# Altium PCB Testopstelling_DA_BOX_STEDIN_V2.PcbDoc (part 2 of 3) (continued)
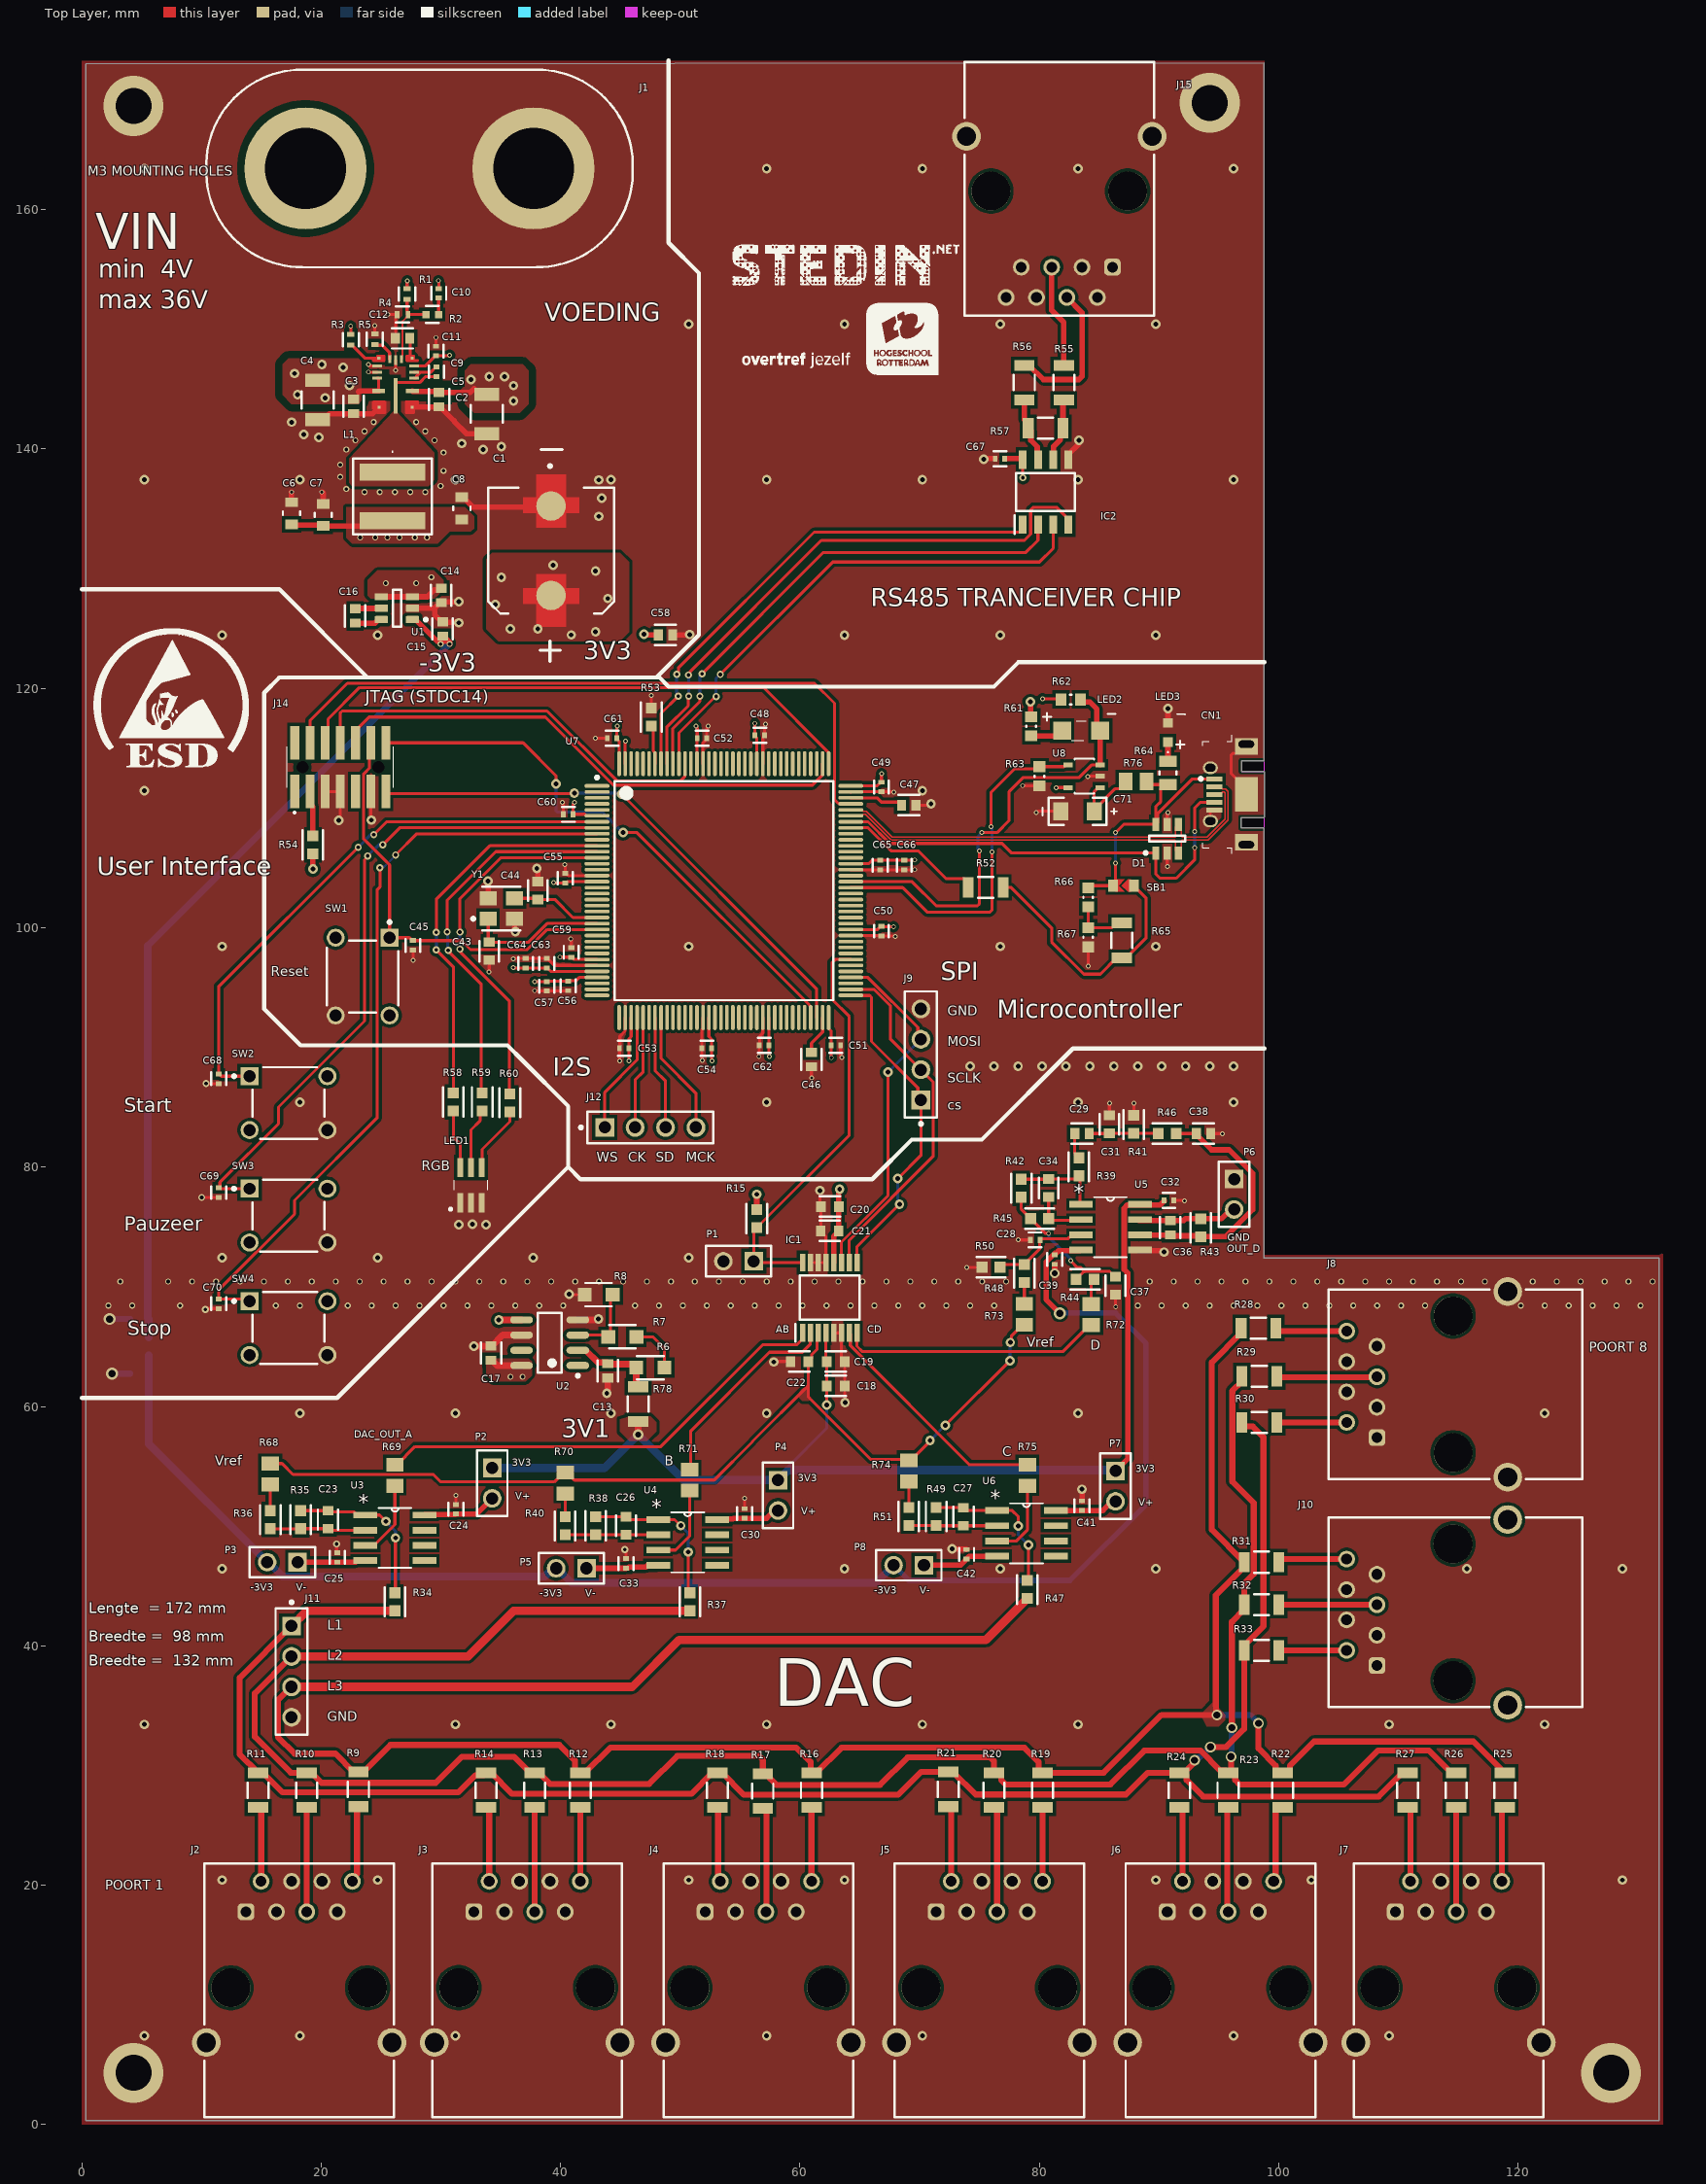
[diagram p0: Top Layer view]
## Nets (pads, with @x,y where several pads share a name; then routed paths per layer and width w, separated by ;. In a path a pad name is that pad's centre, name@x,y a point inside that pad or via, vN(x,y) a via of type N, cw(c..) or ccw(c..) an arc to the next point about the centre after c; other vN are vias at no path point) (continued)
NetJ3_5: J3.5 R13.2 | length 8.7
  Top Layer w0.5: J3.5@37.846,17.78 R13.2@37.846,26.49
NetJ3_8: J3.8 R12.2 | length 6.2
  Top Layer w0.5: J3.8@41.656,20.32 R12.2@41.656,26.49
NetJ4_2: J4.2 R18.2 | length 6.3
  Top Layer w0.5: R18.2@52.964,26.416 53.164,26.216 53.164,20.74 53.343,20.562 J4.2@53.343,20.318
NetJ4_5: J4.5 R17.2 | length 8.9
  Top Layer w0.5: R17.2@56.896,26.416 57.01,26.416 57.21,26.216 57.21,17.835 J4.5@57.153,17.778
NetJ4_8: J4.8 R16.2 | length 6.2
  Top Layer w0.5: R16.2@60.96,26.49 60.963,26.487 J4.8@60.963,20.318
NetJ5_2: J5.2 R21.2 | length 6.4
  Top Layer w0.5: R21.2@72.39,26.564 72.444,26.564 72.644,26.364 J5.2@72.644,20.32
NetJ5_5: J5.5 R20.2 | length 8.8
  Top Layer w0.5: R20.2@76.2,26.49 76.273,26.49 76.473,26.29 J5.5@76.473,17.799
NetJ5_8: J5.8 R19.2 | length 6.2
  Top Layer w0.5: J5.8@80.264,20.32 R19.2@80.264,26.49
NetJ6_2: J6.2 R24.2 | length 6.3
  Top Layer w0.5: R24.2@91.694,26.49 91.751,26.49 91.951,26.29 J6.2@91.951,20.318
NetJ6_5: J6.5 R23.2 | length 8.9
  Top Layer w0.5: J6.5@95.761,17.778 95.688,17.851 95.688,26.29 95.888,26.49 R23.2@96.012,26.49
NetJ6_8: J6.8 R22.2 | length 6.7
  Top Layer w0.5: J6.8@99.571,20.318 99.73,20.477 99.73,26.29 99.93,26.49 R22.2@100.33,26.49
NetJ7_2: J7.2 R27.2 | length 6.3
  Top Layer w0.5: R27.2@110.744,26.49 110.801,26.49 111.001,26.29 J7.2@111.001,20.318
NetJ7_5: J7.5 R26.2 | length 8.7
  Top Layer w0.5: R26.2@114.808,26.49 114.811,26.487 J7.5@114.811,17.778
NetJ7_8: J7.8 R25.2 | length 6.3
  Top Layer w0.5: J7.8@118.621,20.318 118.621,26.29 118.821,26.49 R25.2@118.872,26.49
NetJ8_2: J8.2 R30.2 | length 5.8
  Top Layer w0.5: R30.2@99.822,58.674 99.825,58.671 J8.2@105.666,58.671
NetJ8_5: J8.5 R29.2 | length 8.3
  Top Layer w0.5: R29.2@100.002,62.484 100.06,62.426 108.151,62.426 J8.5@108.206,62.481
NetJ8_8: J8.8 R28.2 | length 6.1
  Top Layer w0.5: R28.2@99.748,66.548 99.748,66.491 99.948,66.291 J8.8@105.666,66.291
NetJ10_2: J10.2 R33.2 | length 5.7
  Top Layer w0.5: R33.2@100.002,39.624 J10.2@105.664,39.624
NetJ10_5: J10.5 R32.2 | length 8.2
  Top Layer w0.5: R32.2@100.002,43.434 J10.5@108.204,43.434
NetJ10_8: J10.8 R31.2 | length 5.8
  Top Layer w0.5: R31.2@100.002,46.99 100.002,47.044 100.202,47.244 J10.8@105.664,47.244
NetJ14_3: J14.3 R54.1 | length 3.8
  Top Layer w0.454: J14.3@19.064,111.373 19.064,110.348 19.304,110.108 R54.1@19.304,107.674
NetJ15_4: J15.4 R56.2 | length 12.5
  Top Layer w0.454: R56.2@78.74,146.992 79.14,146.992 80.336,145.796 83.3,145.796 83.566,146.062 83.566,151.384 J15.4@82.296,152.654
NetJ15_5: J15.5 R55.2 | length 8.6
  Top Layer w0.454: J15.5@81.026,155.194 81.026,151.585 82.042,150.569 R55.2@82.042,146.992
NetLED1_4: LED1.4 R60.1 | length 5.6
  Top Layer w0.254: LED1.4@33.412,79.961 33.452,80.001 33.452,81.483 35.763,83.795 R60.1@35.763,84.618
NetLED1_5: LED1.5 R59.1 | length 5.1
  Top Layer w0.254: LED1.5@32.512,79.961 32.512,83.109 33.274,83.871 33.274,84.506 R59.1@33.452,84.684
NetLED1_6: LED1.6 R58.1 | length 5
  Top Layer w0.254: R58.1@31.039,84.694 31.039,82.525 31.612,81.951 LED1.6@31.612,79.961
NetLED2_1: LED2.1 R61.1 | length 2.8
  Top Layer w0.454: R61.1@79.314,116.024 81.446,116.024 LED2.1@81.89,116.468
NetLED3_1: LED3.1 R64.1 | length 1.6
  Top Layer w0.454: R64.1@90.744,113.91 LED3.1@90.744,115.516
NetR6_1: R6.1 R7.2 | length 4.1
  Top Layer w0.254: R7.2@46.336,65.811 47.727,65.811 48.673,64.865 R6.1@48.673,63.5
NetR7_1: R7.1 R8.2 U2.3 | length 6.3
  Top Layer w0.254: U2.3@41.441,65.964 43.834,65.964 R7.1@43.986,65.811 44.158,65.983 44.158,69.145 R8.2@44.355,69.342
NetR36_2: R36.2 R68.2 | length 2.2
  Top Layer w0.254: R36.2@15.748,51.297 R68.2@15.748,53.481
NetR40_2: R40.2 R70.2 | length 1.9
  Top Layer w0.254: R40.2@40.386,50.778 R70.2@40.386,52.719
NetR44_1: R44.1 R72.2 | length 2.2
  Top Layer w0.254: R72.2@84.328,68.552 84.326,68.55 84.326,70.367 R44.1@84.571,70.612
NetR48_1: R48.1 R73.2 | length 1.8
  Top Layer w0.254: R73.2@78.74,68.58 R48.1@78.74,70.369
NetR51_2: R51.2 R74.2 | length 2.2
  Top Layer w0.254: R51.2@69.088,51.551 R74.2@69.088,53.735
NetR52_1: R52.1 U7.101 | length 12.1
  Top Layer w0.254: U7.101@64.245,108.349 65.691,108.349 67.614,106.426 69.87,106.426 72.195,104.101 73.739,104.101 74.062,103.778 R52.1@74.062,103.378
NetR53_2: R53.2 U7.138 | length 3.3
  Top Layer w0.254: R53.2@47.578,116.845 47.752,116.671 47.752,114.775 47.772,114.755 47.772,114.734 47.895,114.611 U7.138@47.895,113.699
NetR58_2: R58.2 U7.11 | length 32
  Top Layer w0.254: v4(29.623,98.144) 31.039,96.728 R58.2@31.039,86.197 ; v4(29.623,99.6) 29.623,102.38 34.091,106.849 U7.11@43.045,106.849
  Bottom Layer w0.254: v4(29.623,98.144) v4(29.623,99.6)
NetR59_2: R59.2 U7.12 | length 31.5
  Top Layer w0.254: v4(30.525,99.658) 30.525,102.29 34.584,106.349 U7.12@43.045,106.349 ; v4(30.612,98.115) 30.612,98.041 33.381,95.273 33.381,86.257 R59.2@33.452,86.186
  Bottom Layer w0.254: v4(30.525,99.658) 30.569,99.614 30.569,98.159 v4(30.612,98.115)
NetR60_2: R60.2 U7.13 | length 30.9
  Top Layer w0.254: v4(31.586,98.211) 31.652,98.145 31.652,97.939 35.735,93.856 35.735,86.149 R60.2@35.763,86.121 ; v4(31.586,99.634) 31.586,102.428 35.007,105.849 U7.13@43.045,105.849
  Bottom Layer w0.254: v4(31.586,98.211) v4(31.586,99.634)
NetR65_1: R65.1 R66.2 R67.1 | length 4.7
  Top Layer w0.254: R66.2@84.074,101.736 R67.1@84.074,99.996 86.072,99.996 86.468,100.392 R65.1@86.868,100.392
NetR69_2: R69.2 U3.3 | length 6.4
  Top Layer w0.254: U3.3@23.698,48.387 24.409,48.387 26.162,50.14 R69.2@26.162,53.368
NetR71_2: R71.2 U4.3 | length 6.9
  Top Layer w0.254: U4.3@48.158,48.006 49.607,48.006 50.8,49.199 R71.2@50.8,52.973
NetR75_2: R75.2 U6.3 | length 6.6
  Top Layer w0.254: U6.3@76.454,48.768 78.087,48.768 78.994,49.675 R75.2@78.994,53.368
OSC_IN: C44.1 U7.23 Y1.3 | length 7.6
  Top Layer w0.254: Y1.3@36.152,102.45 38.012,102.45 C44.1@38.1,102.362 39.521,102.362 41.034,100.849 U7.23@43.045,100.849
OSC_OUT: C43.1 U7.24 Y1.1 | length 11.6
  Top Layer w0.254: Y1.1@33.952,100.75 33.952,98.878 C43.1@34.036,98.794 37.327,98.794 38.882,100.349 U7.24@43.045,100.349
OUTPUT_1: C29.1 C31.2 R41.2 R46.1 | length 5.8
  Top Layer w0.254: C29.1@84.158,82.804 85.832,82.804 C31.2@85.844,82.816 87.875,82.816 R41.2@87.876,82.815 89.908,82.815 R46.1@89.919,82.804
PGND: 1.1 1.8 1.11 1.12 1.15 C1.1 C2.2 C3.2 C4.2 C5.2 C6.2 C7.2 C8.2 C11.1 C12.2 C13.1 C14.2 C15.2 C17.1 C18.2 C19.2 C20.2 C21.2 C22.2 C24.2 C25.2 C28.2 C30.2 C31.1 C32.2 C33.2 C37.2 C38.2 C39.2 C41.2 C42.2 C43.2 C44.2 C45.2 C46.2 C47.2 C48.2 C49.2 C50.2 C51.2 C52.2 C53.2 C54.2 C55.2 C56.2 C57.2 C58.2 C59.2 C60.2 C61.2 C62.2 C63.2 C64.2 C65.2 C66.2 C67.2 C68.2 C69.2 C70.2 C71.2 CN1.5 CN1.6 CN1.7 CN1.8 CN1.9 CN1.10 D1.2 D1.5 DNP1.1 DNP2.1 IC1.5 IC1.6 IC1.13 IC1.14 IC1.15 IC2.5 J1.2 J2.1 J2.3 J2.4 J2.6 J2.7 J2.Shell J3.1 J3.3 J3.4 J3.6 J3.7 J3.Shell J4.1 J4.3 J4.4 J4.6 J4.7 J4.Shell J5.1 J5.3 J5.4 J5.6 J5.7 J5.Shell J6.1 J6.3 J6.4 J6.6 J6.7 J6.Shell J7.1 J7.3 J7.4 J7.6 J7.7 J7.Shell J8.1 J8.3 J8.4 J8.6 J8.7 J8.Shell J9.4 J10.1 J10.3 J10.4 J10.6 J10.7 J11.4 J14.5 J14.7 J14.11 J15.1 J15.2 J15.3 J15.6 J15.7 J15.8 J15.Shell LED1.1 LED1.2 LED1.3 LED3.2 P1.2 P6.1 R4.1 R5.1 R8.1 R41.1 R50.1 R53.1 R63.1 R67.2 SW1.4 SW2.4 SW3.4 SW4.4 U1.2 U2.4 U2.6 U5.5 U7.16 U7.31 U7.38 U7.51 U7.61 U7.83 U7.94 U7.107 U7.120 U7.130 U8.2 Y1.2 Y1.4 | length 166.6
  Top Layer w0.254: v4(10.019,77.458) 11.418,77.458 C69.2@11.43,77.47 ; v4(10.317,68.092) 10.405,68.18 C70.2@11.43,68.18 ; v4(10.389,86.984) 10.397,86.976 C68.2@11.43,86.976 ; J14.5@20.334,111.373 J14.7@21.604,111.373 21.604,109.08 v1(21.484,108.959) ; v4(21.284,48.508) 21.284,47.842 C25.2@21.336,47.79 ; v3(23.949,147.067) 24.093,146.922 1.11@24.68,146.922 ; v3(23.963,146.43) 23.971,146.422 1.12@24.68,146.422 ; J14.11@24.144,111.373 24.144,109.033 v1(24.186,108.991) ; v3(24.477,150.315) 24.486,150.306 R5.1@24.486,149.631 ; v3(25.588,151.234) 25.59,151.232 R4.1@26.354,151.232 26.354,151.132 26.209,150.986 C12.2@26.209,149.247 ; v3(26.212,146.569) 26.212,146.756 26.218,146.762 1.8@26.218,147.435 ; C45.2@27.661,98.127 27.673,98.114 27.673,97.295 v3(27.686,97.282) ; C11.1@29.591,148.577 29.591,149.306 v3(29.593,149.308) ; C24.2@31.242,51.816 v3(31.242,52.578) ; v3(34.019,96.297) 34.036,96.314 C43.2@34.036,97.294 ; v3(36.033,97.407) 36.055,97.428 C64.2@37.084,97.428 C63.2@38.862,97.428 38.912,97.428 39.491,96.849 U7.31@43.045,96.849 ; v3(37.846,94.742) 37.865,94.723 38.843,94.723 C57.2@38.862,94.704 38.881,94.723 40.621,94.723 C56.2@40.64,94.742 ; v3(40.132,110.49) 40.132,110.45 40.24,110.342 C60.2@40.24,109.474 ; v3(40.363,105.269) 40.386,105.245 C55.2@40.386,104.54 40.436,104.54 40.627,104.349 U7.16@43.045,104.349 ; v1(40.717,69.385) 40.76,69.342 R8.1@42.005,69.342 ; v3(40.855,99.049) 40.894,99.011 C59.2@40.894,98.336 ; v3(42.926,115.824) C61.2@43.904,115.824 ; v3(44.924,88.888) 44.92,88.892 C53.2@44.92,89.916 44.958,89.954 44.958,90.932 45.386,91.36 45.386,92.49 U7.38@45.395,92.499 ; v4(45.365,48.052) 45.466,47.951 C33.2@45.466,47.282 ; v3(47.568,119.403) 47.578,119.393 R53.1@47.578,118.347 ; v3(51.828,88.913) 51.816,88.925 C54.2@51.816,89.916 51.816,91.507 51.895,91.586 U7.51@51.895,92.499 ; U7.130@51.895,113.699 51.895,115.453 52.216,115.774 52.216,116.692 52.324,116.8 v3(52.324,116.84) ; C30.2@55.372,51.454 v3(55.372,52.324) ; v3(56.57,89.225) 56.604,89.26 C62.2@56.604,90.17 56.642,90.208 56.642,90.932 56.895,91.185 U7.61@56.895,92.499 ; U7.120@56.895,113.699 56.895,115.881 57.042,116.028 C48.2@57.042,116.078 57.042,116.949 v3(57.104,117.01) ; v1(57.811,63.718) 57.847,63.754 C22.2@59.206,63.754 ; IC1.15@60.859,72.026 IC1.14@61.509,72.026 IC1.13@62.159,72.026 62.159,74.201 61.734,74.626 C21.2@61.734,74.676 61.734,76.696 C20.2@61.746,76.708 61.681,76.773 v1(61.681,78.046) ; C46.2@60.96,88.392 60.96,87.467 v3(60.976,87.451) ; IC1.5@62.809,66.15 IC1.6@63.459,66.15 63.459,64.087 63.742,63.804 C19.2@63.742,63.754 C18.2@63.742,61.722 63.742,60.342 v1(63.763,60.32) ; C51.2@63.392,90.17 63.392,89.302 63.5,89.194 v3(63.5,89.154) ; U7.83@64.245,99.349 64.254,99.34 66.776,99.34 C50.2@66.802,99.314 67.892,99.314 v3(67.949,99.258) ; U7.94@64.245,104.849 64.254,104.84 66.698,104.84 C65.2@66.71,104.828 C66.2@68.71,104.828 69.572,104.828 v3(69.597,104.853) ; U7.107@64.245,111.349 64.251,111.354 66.796,111.354 C49.2@66.802,111.36 67.799,111.36 v3(67.828,111.331) ; C47.2@69.688,110.236 70.834,110.236 v1(70.945,110.346) ; v3(73.914,71.628) R50.1@75.206,71.628 ; v3(78.232,73.914) C28.2@79.248,73.914 ; v3(78.6,111.875) 78.616,111.858 R63.1@80.01,111.858 ; v3(79.744,109.61) 79.863,109.728 C71.2@81.788,109.728 ; v3(84.052,112.629) 84.081,112.658 U8.2@85.09,112.658 ; v3(84.074,96.774) R67.2@84.074,98.396 ; C31.1@85.844,84.316 85.852,84.324 v3(85.852,85.344) ; C37.2@86.36,69.354 86.36,68.351 v3(86.374,68.337) ; R41.1@87.876,84.317 87.884,84.325 v3(87.884,85.344) ; D1.2@90.678,106.242 90.678,105.133 v3(90.711,105.1) ; D1.5@90.678,108.642 90.678,109.59 v3(90.723,109.635) ; C32.2@91.224,77.216 92.106,77.216 v3(92.131,77.19) ; CN1.6@94.282,108.909 94.282,109.761 94.355,109.834 CN1.5@94.607,109.834 ; C38.2@94.318,82.804 95.269,82.804 v3(95.297,82.776) ; CN1.8@97.282,111.134 97.282,111.634 96.012,112.904 96.012,114.412 96.161,114.561 96.509,114.561 CN1.9@97.282,115.334
  Top Layer w0.454: C6.2@17.526,135.545 v3(17.526,136.398) ; C4.2@19.71,142.443 20.185,142.443 20.691,142.949 C3.2@22.705,142.949 ; v3(20.066,136.398) 20.168,136.296 C7.2@20.168,135.418 ; C3.2@22.708,142.951 24.297,142.951 1.15@24.843,143.497 ; 1.1@27.593,143.497 29.813,143.497 C5.2@29.845,143.529 29.92,143.529 31.097,142.352 31.097,142.305 32.127,141.276 C2.2@33.833,141.276 ; U1.2@27.64,126.695 29.481,126.695 ; v1(31.496,125.476) 31.455,125.517 30.191,125.517 C15.2@30.15,125.558 30.075,125.558 29.481,126.152 29.481,126.695 ; v1(31.496,127.254) 31.45,127.208 30.069,127.208 C14.2@30.023,127.162 29.948,127.162 29.481,126.695 ; C8.2@31.75,135.962 31.875,135.962 32.709,135.128 39.1,135.128 C1.1@39.205,135.233 ; v1(33.946,103.902) 33.952,103.896 Y1.4@33.952,102.45 ; Y1.2@36.152,100.75 36.152,99.737 v1(36.224,99.665) ; v1(38.019,104.963) 38.1,104.882 C44.2@38.1,103.862 ; C58.2@49.368,124.46 50.759,124.46 v1(50.798,124.499) ; v1(72.701,48.099) 72.728,48.071 73.891,48.071 73.914,48.048 C42.2@73.914,48.044 ; v1(75.346,139.141) 75.398,139.192 C67.2@76.308,139.192 ; v9(81.28,71.12) C39.2@81.28,71.882 ; IC2.5@82.423,139.11 82.423,139.548 83.246,140.37 83.246,140.65 v1(83.312,140.716) ; C41.2@83.566,52.108 v1(83.566,53.086) ; U5.5@88.316,73.025 90.203,73.025 90.33,72.898 v1(90.424,72.898) ; LED3.2@90.744,117.116 v1(90.744,118.31)
  Top Layer w0.554: v1(32.766,65.024) 32.782,65.04 34.173,65.04 C17.1@34.188,65.056 34.263,65.056 35.172,65.964 U2.6@36.741,65.964 ; U2.4@41.441,67.234 43.085,67.234 v1(43.17,67.318) ; v1(43.866,61.092) 43.942,61.167 C13.1@43.942,62.382
  GND w0.454: 50.292,124.46 50.759,124.46 v1(50.798,124.499)
  Bottom Layer w0.5: v7(2.327,67.307) 2.329,67.31 DNP1.1@4.038,67.31 ; v7(2.522,62.734) 2.526,62.738 DNP2.1@4.051,62.738
  other v1: 5.218,7.434 18.218,7.434 31.218,7.434 57.218,7.434 70.218,7.434 96.218,7.434 109.218,7.434 11.718,20.434 24.718,20.434 50.718,20.434 63.718,20.434 89.718,20.434 102.718,20.434 128.718,20.434 5.218,33.434 31.218,33.434 44.218,33.434 57.218,33.434 70.218,33.434 83.218,33.434 109.218,33.434 122.218,33.434 11.718,46.434 63.718,46.434 76.718,46.434 89.718,46.434 115.718,46.434 128.718,46.434 18.218,59.434 31.218,59.434 44.218,59.434 57.218,59.434 83.218,59.434 122.218,59.434 11.718,72.434 24.718,72.434 37.718,72.434 50.718,72.434 31.496,75.184 33.782,75.184 32.645,75.221 18.218,85.434 57.218,85.434 83.218,85.434 96.218,85.434 74.218,88.434 76.218,88.434 78.218,88.434 80.218,88.434 82.218,88.434 84.218,88.434 86.218,88.434 88.218,88.434 90.218,88.434 92.218,88.434 94.218,88.434 96.218,88.434 11.718,98.434 50.718,98.434 76.718,98.434 89.718,98.434 5.218,111.434 70.218,111.434 11.718,124.434 24.718,124.434 63.718,124.434 76.718,124.434 89.718,124.434 43.18,134.366 43.434,135.89 43.18,137.414 5.218,137.434 18.218,137.434 31.218,137.434 44.218,137.434 57.218,137.434 70.218,137.434 83.218,137.434 96.218,137.434 33.528,139.954 35.052,140.208 31.75,140.462 19.812,140.97 18.542,141.224 17.526,142.24 50.718,150.434 63.718,150.434 76.718,150.434 89.718,150.434 5.218,163.434 57.218,163.434 70.218,163.434 83.218,163.434 96.218,163.434
  other v2: 2.218,68.434 4.218,68.434 8.218,68.434 16.218,68.434 18.218,68.434 22.218,68.434 24.218,68.434 26.218,68.434 28.218,68.434 30.218,68.434 32.218,68.434 34.218,68.434 36.218,68.434 38.218,68.434 40.218,68.434 46.218,68.434 48.218,68.434 50.218,68.434 52.218,68.434 54.218,68.434 56.218,68.434 58.218,68.434 60.218,68.434 62.218,68.434 64.218,68.434 66.218,68.434 68.218,68.434 70.218,68.434 72.218,68.434 74.218,68.434 76.218,68.434 88.218,68.434 90.218,68.434 92.218,68.434 94.218,68.434 96.218,68.434 98.218,68.434 100.218,68.434 102.218,68.434 104.218,68.434 106.218,68.434 108.218,68.434 110.218,68.434 112.218,68.434 120.218,68.434 122.218,68.434 124.218,68.434 126.218,68.434 128.218,68.434 130.218,68.434 3.218,70.434 7.218,70.434 9.218,70.434 11.218,70.434 13.218,70.434 15.218,70.434 17.218,70.434 19.218,70.434 21.218,70.434 23.218,70.434 25.218,70.434 27.218,70.434 29.218,70.434 31.218,70.434 33.218,70.434 35.218,70.434 37.218,70.434 39.218,70.434 41.218,70.434 43.218,70.434 45.218,70.434 47.218,70.434 49.218,70.434 51.218,70.434 53.218,70.434 55.218,70.434 57.218,70.434 59.218,70.434 61.218,70.434 63.218,70.434 65.218,70.434 67.218,70.434 69.218,70.434 71.218,70.434 73.218,70.434 75.218,70.434 77.218,70.434 89.218,70.434 91.218,70.434 93.218,70.434 95.218,70.434 97.218,70.434 99.218,70.434 101.218,70.434 103.218,70.434 105.218,70.434 107.218,70.434 109.218,70.434 111.218,70.434 113.218,70.434 115.218,70.434 117.218,70.434 121.218,70.434 123.218,70.434 125.218,70.434 127.218,70.434 129.218,70.434 131.218,70.434 23.622,136.398 24.892,136.398 26.162,136.398 27.432,136.398 28.702,136.398 22.098,136.652 29.972,136.906 21.59,137.668 30.226,138.176 21.59,138.684 30.226,139.7 22.098,139.954 22.86,140.716 29.464,140.716 23.622,141.478 28.702,141.478 24.384,142.24 27.94,142.24
  other v6: 4.318,4.318 127.762,4.318 4.318,168.656 94.234,168.91
Reset: C45.1 J14.12 SW1.1 U7.25 | length 35.9
  Top Layer w0.254: J14.12@24.144,115.443 24.042,115.341 24.042,113.357 23.547,112.862 23.547,107.409 25.712,105.244 SW1.1@25.712,99.168 27.37,99.168 27.611,98.927 C45.1@27.661,98.927 31.713,98.927 32.473,98.167 37.201,98.167 38.883,99.849 U7.25@43.045,99.849
SCLK: IC1.10 J9.2 U7.74 | length 29.7
  Top Layer w0.254: IC1.10@64.109,72.026 64.109,73.879 71.116,80.886 71.116,87.126 J9.2@70.104,88.138 67.564,90.678 67.564,93.459 66.174,94.849 U7.74@64.245,94.849
SDI: IC1.11 J9.3 U7.76 | length 29.8
  Top Layer w0.254: IC1.11@63.459,72.026 63.459,73.73 67.347,77.618 v1(67.347,87.932) ; U7.76@64.246,95.848 65.676,95.848 69.852,91.671 69.852,90.93 J9.3@70.104,90.678
  Bottom Layer w0.254: v1(67.347,87.932) 67.358,87.932 J9.3@70.104,90.678
SW: 1.16 C9.1 L1.1 | length 4.7
  Top Layer w0.254: 1.16@26.218,144.434 26.218,145.52 26.266,145.568 28.261,145.568 28.743,146.05 C9.1@29.642,146.05
SWCLK: J14.6 U7.109 | length 48.2
  Top Layer w0.254: J14.6@20.334,115.443 20.572,115.681 20.572,117.43 23.208,120.066 56.961,120.066 62.386,114.641 62.386,113.707 U7.109@62.395,113.699
SWDIO: J14.4 U7.105 | length 57.2
  Top Layer w0.254: J14.4@19.064,115.443 19.064,117.294 22.19,120.42 61.214,120.42 62.881,118.753 62.881,110.706 63.153,110.433 63.174,110.433 63.25,110.357 64.236,110.357 U7.105@64.245,110.349
SWO/JTDO: J14.8 U7.133 | length 35
  Top Layer w0.254: J14.8@21.604,115.443 21.604,117.961 21.753,118.11 38.862,118.11 44.704,112.268 50.038,112.268 50.292,112.522 50.292,112.543 50.386,112.637 50.386,113.69 U7.133@50.395,113.699
SYNC: IC1.9 J9.1 U7.73 | length 28
  Top Layer w0.254: U7.73@64.245,94.349 64.254,94.34 65.186,94.34 65.188,94.338 65.824,94.338 65.973,94.189 65.973,90.491 69.849,86.615 69.849,85.853 J9.1@70.104,85.598 70.104,80.979 v1(68.159,79.035) ; IC1.9@64.759,72.026 64.759,73.34 v1(68.312,76.893)
  Bottom Layer w0.254: v1(68.159,79.035) 68.159,77.046 v1(68.312,76.893)
USB_ID: CN1.4 D1.1 U7.102 | length 38.5
  Top Layer w0.254: U7.102@64.245,108.849 65.692,108.849 67.5,107.041 76.878,107.041 77.677,106.242 D1.1@89.728,106.242 89.728,104.477 90.065,104.14 91.44,104.14 92.964,105.664 v3(92.964,106.68) ; v3(92.973,108.043) 92.964,108.052 92.964,109.982 93.466,110.484 CN1.4@94.607,110.484
  Bottom Layer w0.254: v3(92.964,106.68) 92.968,106.684 92.968,108.039 v3(92.973,108.043)
USB_N: CN1.2 D1.3 U7.103 | length 38.6
  Top Layer w0.11: U7.103@64.245,109.349 65.173,109.349 65.304,109.48 65.46,109.48 67.616,107.323 79.961,107.323 91.319,107.323 91.383,107.259 91.383,106.487 D1.3@91.628,106.242 91.873,106.487 91.873,107.259 91.937,107.323 94.094,107.323 95.75,108.979 95.75,111.374 95.546,111.578 95.288,111.578 95.082,111.784 CN1.2@94.607,111.784
USB_OC: LED2.2 R62.2 U7.92 U8.3 | length 37.9
  Top Layer w0.254: U7.92@64.245,103.849 69.358,103.849 71.382,101.825 74.822,101.825 74.971,101.973 v3@74.971,106.398 ; v3(75.184,107.95) 76.454,107.95 77.47,108.966 77.47,111.373 78.648,112.551 83.341,112.551 84.398,113.608 U8.3@85.09,113.608
  Top Layer w0.454: R62.2@83.416,119.072 83.624,118.863 84.212,118.863 84.805,118.27 84.805,116.753 LED2.2@85.09,116.468 U8.3@85.09,113.608
  Bottom Layer w0.254: v3(74.981,106.407) 74.981,106.447 74.862,106.565 74.862,107.628 v3(75.184,107.95)
USB_P: CN1.3 D1.4 U7.104 | length 37.9
  Top Layer w0.11: U7.104@64.245,109.849 65.173,109.849 65.304,109.717 65.558,109.717 67.715,107.561 79.863,107.561 91.319,107.561 91.383,107.625 91.383,108.397 D1.4@91.628,108.642 91.873,108.397 91.873,107.625 91.937,107.561 93.996,107.561 95.512,109.077 95.512,111.276 95.448,111.34 95.288,111.34 95.082,111.134 CN1.3@94.607,111.134
USB_PowerSwitchOn: R63.2 U7.91 U8.4 | length 30
  Top Layer w0.254: U7.91@64.245,103.349 68.583,103.349 70.622,101.31 75.884,101.31 76.033,101.459 v3(76.033,106.348) ; v3(75.946,108.458) 75.946,111.285 77.951,113.29 79.792,113.29 79.96,113.458 82.062,113.458 82.212,113.608 U8.4@82.39,113.608
  Bottom Layer w0.254: v3(75.946,108.458) 75.946,108.418 76.033,108.331 v3(76.033,106.348)
V+_supply: C24.1 P2.2 U3.8 | length 6.2
  Top Layer w0.454: U3.8@28.626,50.927 28.663,50.965 31.195,50.965 31.242,51.012 C24.1@31.242,51.016 ; C24.1@31.265,51.004 32.97,51.004 P2.2@34.29,52.324
V+_supply_2: C30.1 P4.2 U4.8 | length 5.4
  Top Layer w0.454: U4.8@53.086,50.546 53.138,50.598 54.385,50.598 54.441,50.654 C30.1@55.372,50.654 57.215,50.654 57.869,51.308 P4.2@58.166,51.308
V+_supply_3: C41.1 P7.2 U6.8 | length 5.3
  Top Layer w0.454: U6.8@81.382,51.308 C41.1@83.566,51.308 85.301,51.308 86.063,52.07 P7.2@86.36,52.07
V-_supply: C25.1 P3.1 U3.4 | length 5.7
  Top Layer w0.454: P3.1@18.034,46.99 C25.1@21.336,46.99 22.86,46.99 22.987,47.117 U3.4@23.698,47.117
V-_supply_2: C33.1 P5.1 U4.4 | length 6.1
  Top Layer w0.454: P5.1@42.164,46.482 C33.1@45.466,46.482 45.466,46.486 45.489,46.509 45.66,46.509 45.735,46.584 47.129,46.584 47.229,46.684 48.106,46.684 U4.4@48.158,46.736
V-_supply_3: C42.1 P8.1 U6.4 | length 6.4
  Top Layer w0.454: P8.1@70.358,46.736 73.406,46.736 74.143,47.473 U6.4@76.429,47.473
VBUS_sensing: R52.2 R65.2 SB1.1 | length 21.7
  Top Layer w0.254: R52.2@76.962,103.378 76.984,103.356 77.644,103.356 81.026,99.974 81.026,98.806 83.715,96.117 85.093,96.117 86.468,97.492 R65.2@86.868,97.492 87.268,97.492 88.9,99.124 88.9,102.498 SB1.1@87.884,103.514
VCOM_RX: J14.13 U7.70 | length 45.2
  Top Layer w0.254: J14.13@25.414,111.373 25.585,111.202 41.098,111.202 v1(41.148,111.252) ; v1(45.1,111.169) 61.395,94.874 U7.70@61.395,92.499
  Bottom Layer w0.254: v1(41.148,111.252) 45.017,111.252 v1(45.1,111.169)
VCOM_TX: J14.14 U7.69 | length 47.2
  Top Layer w0.254: J14.14@25.414,115.443 36.874,115.443 39.624,112.693 v1(39.624,112.014) ; v1(45.212,107.95) 46.377,107.95 60.772,93.555 60.772,93.534 60.895,93.411 U7.69@60.895,92.499
  Bottom Layer w0.254: v1(39.624,112.014) 39.624,110.943 39.613,110.932 39.613,109.801 39.762,109.653 43.509,109.653 v1(45.212,107.95)
VOUT: C13.2 R6.2 R78.2 U2.2 | length 7.3
  Top Layer w0.554: U2.2@41.441,64.694 42.091,64.694 43.104,63.68 43.844,63.68 C13.2@43.942,63.582 43.983,63.541 46.282,63.541 46.323,63.5 46.323,61.807 R78.2@46.482,61.648
Vref_0.5_H: C28.1 R48.2 R50.2 U5.3 | length 8.2
  Top Layer w0.254: R50.2@76.708,71.628 76.951,71.871 R48.2@78.74,71.871 ; R48.2@78.74,71.871 R48.2@79.069,72.199 ; R48.2@79.069,72.2 80.01,73.141 80.01,73.876 C28.1@80.048,73.914 80.048,73.945 80.121,74.018 82.4,74.018 82.677,74.295 U5.3@83.388,74.295
Vref_H: C22.1 IC1.3 R68.1 R70.1 R73.1 R74.1 | length 81.3
  Top Layer w0.254: R68.1@15.748,55.231 16.729,55.231 17.644,54.316 29.381,54.316 29.994,53.703 39.47,53.703 40.236,54.469 40.536,54.469 41.157,53.848 52.831,53.848 56.026,57.043 56.026,57.085 60.706,61.765 ; IC1.3@61.509,66.15 61.411,66.052 61.411,64.755 60.979,64.324 60.979,64.027 C22.1@60.706,63.754 60.706,61.765 ; v1(70.866,57.15) 70.866,57.113 69.238,55.485 R74.1@69.088,55.485 68.988,55.585 65.892,55.585 60.706,60.771 60.706,61.765 ; v1(72.136,58.42) 77.529,63.813 v1(77.537,63.813) ; v1(77.569,65.346) 77.674,65.451 77.674,65.914 78.59,66.83 R73.1@78.74,66.83
  Bottom Layer w0.254: v1(70.866,57.15) v1(72.136,58.42) ; v1(77.537,63.813) 77.553,63.829 77.553,65.33 v1(77.569,65.346)
pads on no net: J2.M1 J2.M2 J3.M1 J3.M2 J4.M1 J4.M2 J5.M1 J5.M2 J6.M1 J6.M2 J7.M1 J7.M2 J8.M1 J8.M2 J10.M1 J10.M2 J10.Shell J14.1 J14.2 J14.9 J14.15 J14.16 J15.M1 J15.M2 SW1.2 SW1.3 SW2.2 SW2.3 SW3.2 SW3.3 SW4.2 SW4.3 U2.1 U2.7 U3.5 U3.6 U3.7 U4.5 U4.6 U4.7 U6.5 U6.6 U6.7 U7.1 U7.2 U7.3 U7.4 U7.5 U7.10 U7.14 U7.15 U7.18 U7.19 U7.20 U7.21 U7.22 U7.26 U7.27 U7.28 U7.29 U7.34 U7.35 U7.36 U7.37 U7.42 U7.45 U7.46 U7.47 U7.48 U7.49 U7.50 U7.53 U7.54 U7.55 U7.56 U7.57 U7.58 U7.59 U7.60 U7.63 U7.64 U7.65 U7.66 U7.67 U7.68 U7.75 U7.77 U7.78 U7.80 U7.81 U7.82 U7.85 U7.86 U7.87 U7.88 U7.89 U7.90 U7.93 U7.96 U7.97 U7.98 U7.99 U7.100 U7.111 U7.112 U7.113 U7.114 U7.115 U7.116 U7.117 U7.118 U7.119 U7.122 U7.123 U7.124 U7.125 U7.126 U7.127 U7.128 U7.129 U7.132 U7.139 U7.140 U7.141 U7.142

## Polygon pours and split planes (outlines as drawn)
"+3V3 (DVVD)" on Top Layer "+3V3_(DVVD)_L01_P012" (solid, remove dead copper, pour order 12): 33.782,64.008 33.782,62.611 34.315,62.078 37.084,62.078 37.592,62.586 37.592,63.754 37.338,64.008 34.036,64.008
"+3V3 (DVVD)" on Top Layer "+3V3_(DVVD)_L01_P010" (solid, remove dead copper, pour order 10): 23.876,129.032 23.876,127.762 24.13,127.508 29.464,127.508 30.226,128.27 30.226,129.032 29.413,129.845 24.689,129.845
PGND on Top Layer "PGND_L01_P032" (solid, remove dead copper, pour order 32): 98.806,172.434 98.806,171.672 98.806,72.644 131.826,72.644 132.08,72.898 132.08,0 0,0 0,172.434
+30V on Top Layer "+30V_L01_P000" (solid, remove dead copper, pour order 0): 16.764,147.066 16.764,144.526 17.526,143.764 23.114,143.764 23.368,144.018 23.368,147.32 23.114,147.574 17.272,147.574
"+3V1 (AVDD)" on Top Layer "+3V1_(AVDD)_L01_P024" (solid, remove dead copper, pour order 24): 44.958,58.928 44.958,57.912 45.72,57.15 47.244,57.15 48.006,57.912 48.006,58.674 47.498,59.182 45.72,59.182
L3+ on Top Layer "L3+_L01_P015" (solid, remove dead copper, pour order 15): 93.472,34.29 94.488,35.306 95.504,34.29 95.504,33.782 94.996,33.274 93.98,33.274
Vref_H on Top Layer "VREF_H_L01_P013" (solid, remove dead copper, pour order 13): 60.198,61.468 59.944,61.214 59.944,60.706 60.198,60.452 60.706,60.452 60.96,60.706 60.706,60.96 60.706,61.765
+30V on Top Layer "+30V_L01_P008" (solid, remove dead copper, pour order 8): 32.004,144.272 31.496,144.78 31.877,145.161 32.004,145.161
"+3V3 (DVVD)" on Top Layer "+3V3_(DVVD)_L01_P006" (solid, remove dead copper, pour order 6): 33.782,130.81 33.782,124.968 34.798,123.952 44.958,123.952 45.72,124.714 45.72,130.556 44.958,131.318 34.29,131.318
"+3V3 (DVVD)" on Top Layer "+3V3_(DVVD)_L01_P005" (solid, remove dead copper, pour order 5): 22.098,135.128 22.098,132.588 22.606,132.08 29.718,132.08 30.734,133.096 32.512,133.096 32.766,133.35 32.766,134.366 32.004,135.128 22.606,135.128
SW on Top Layer "SW_L01_P004" (solid, remove dead copper, pour order 4): 22.352,139.192 22.352,137.16 22.606,136.906 28.956,136.906 29.464,137.414 29.464,139.7 26.162,143.256
+30V on Top Layer "+30V_L01_P001" (solid, remove dead copper, pour order 1): 32.004,146.558 32.004,143.764 32.766,143.002 36.576,143.002 37.338,143.764 37.338,146.558 36.83,147.066 32.512,147.066
PGND on Bottom Layer "PGND_L04_P030" (solid, remove dead copper, pour order 30): 98.806,172.434 98.806,171.672 98.806,72.644 131.826,72.644 132.08,72.898 132.08,0 0,0 0,172.434
+30V on Bottom Layer "+30V_L04_P018" (solid, remove dead copper, pour order 18): 9.906,170.688 9.652,169.926 9.652,145.796 11.938,143.51 44.196,143.51 46.482,145.796 46.482,170.18 44.45,172.212 11.176,172.212
"+3V1 (AVDD)" on Bottom Layer "+3V1_(AVDD)_L04_P025" (solid, remove dead copper, pour order 25): 44.958,58.928 44.958,57.658 45.72,56.896 47.498,56.896 48.26,57.658 48.26,58.928 47.752,59.436 45.466,59.436
"-3V3 (VS)" on Bottom Layer "-3V3_(VS)_L04_P022" (solid, remove dead copper, pour order 22): 27.178,124.968 26.924,124.714 26.924,123.698 27.432,123.19 31.242,123.19 31.242,124.46 30.734,124.968 27.686,124.968
"+3V3 (DVVD)" on Power "+3V3_(DVVD)_L03_P027" (solid, remove dead copper, pour order 27): 98.806,172.434 98.806,171.672 98.806,72.644 131.826,72.644 132.08,72.898 132.08,0 0,0 0,172.434
PGND on GND "PGND_L02_P028" (solid, remove dead copper, pour order 28): 98.806,172.434 98.806,171.672 98.806,72.644 131.826,72.644 132.08,72.898 132.08,0 0,0 0,172.434